# KiCad board panelizado.kicad_pcb (continued)
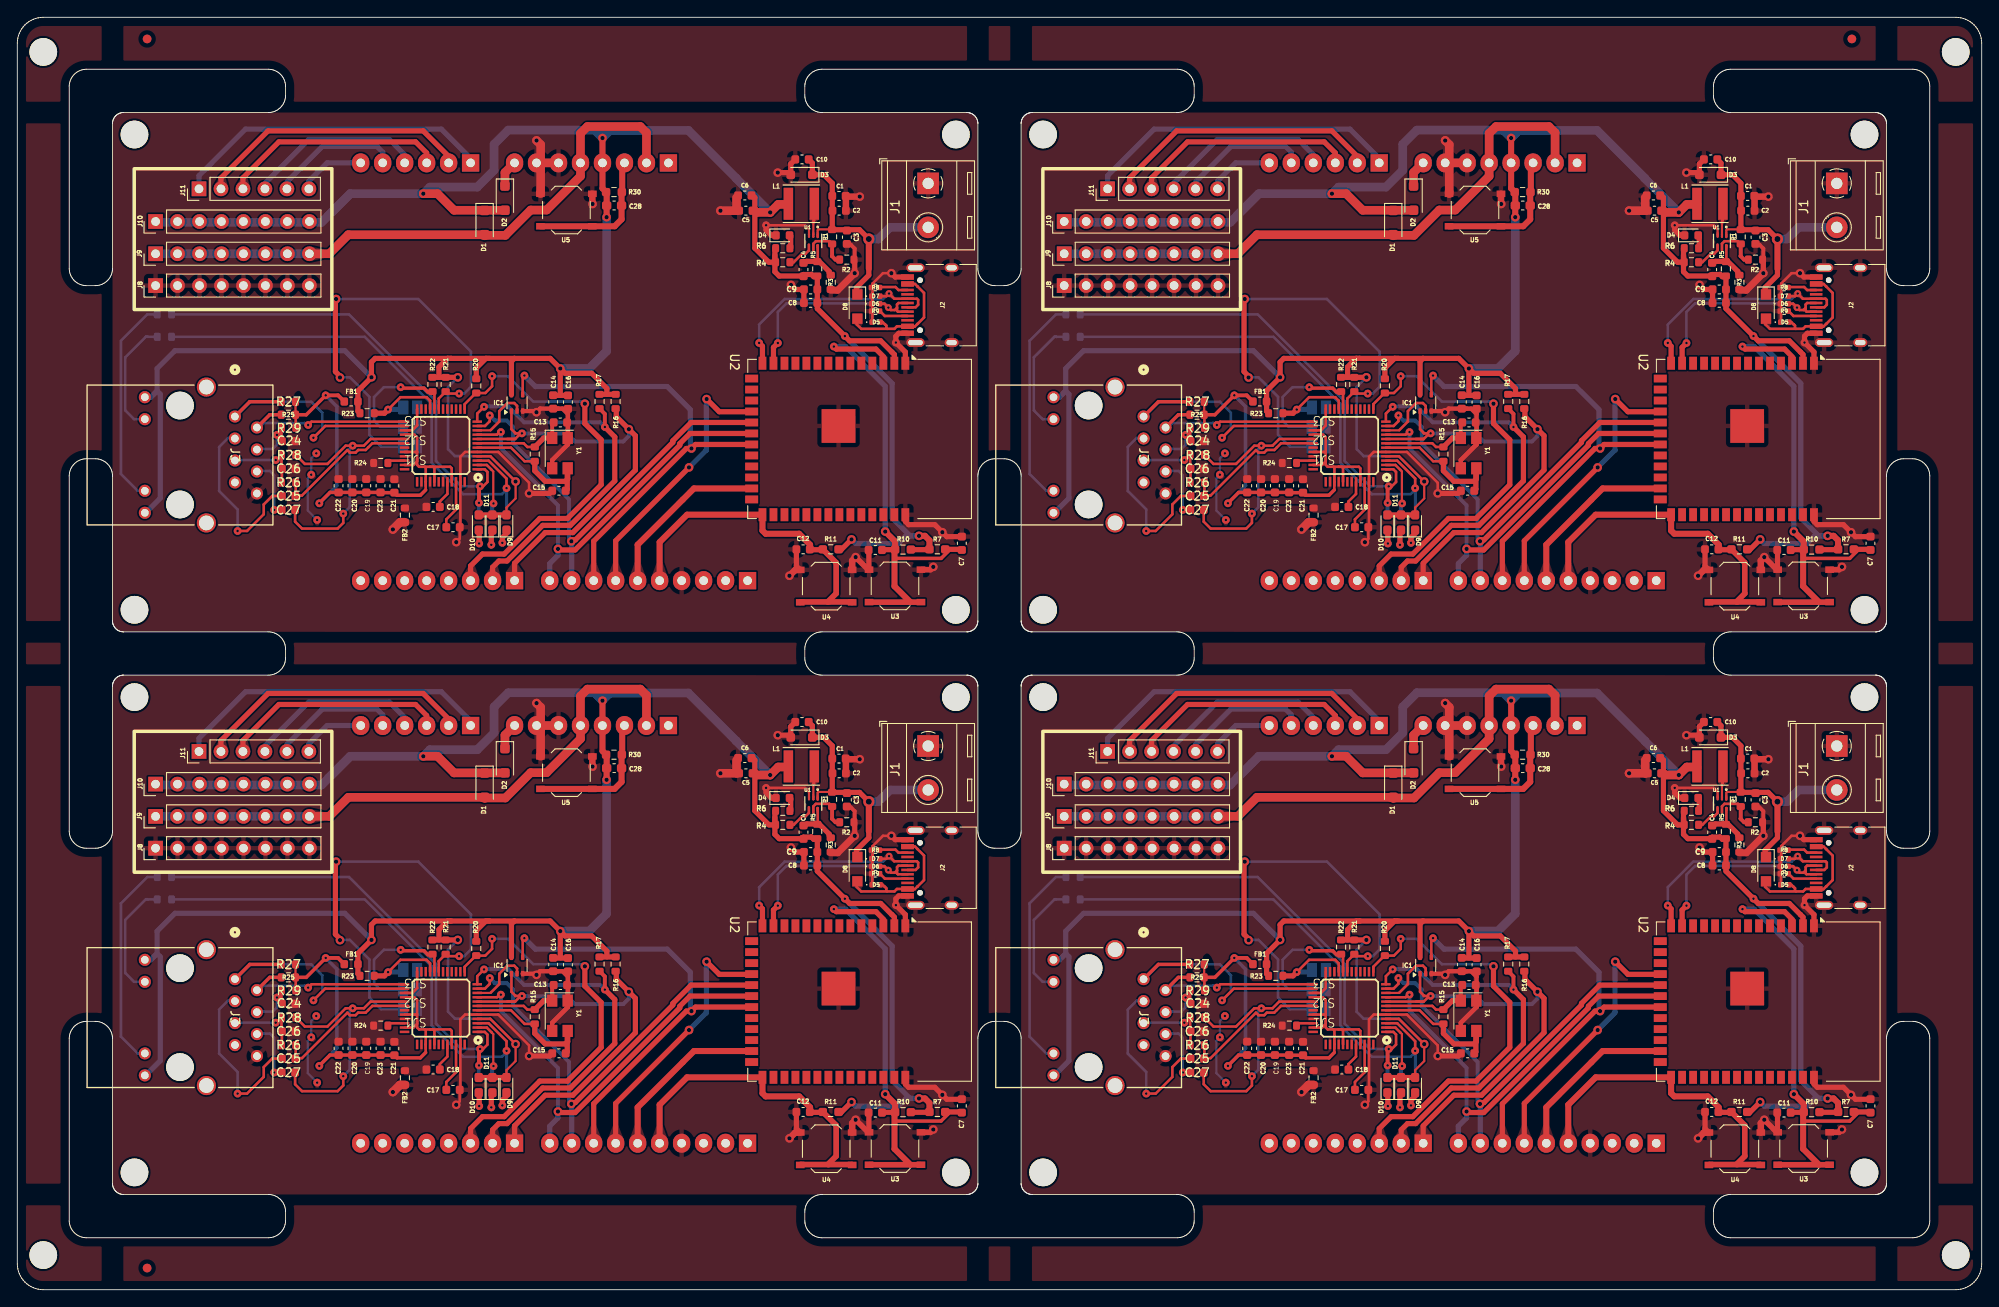
[diagram p0: board, top side]
## Routing (per net, layer and track width the routed paths; a pad name or vN(x,y) marks a point on that pad's centre or on a via; arc(x,y) is an arc through that point) (continued)
  Bottom w0.45: v2(172.89,34.67) 172.35,35.21 163.57,35.21 161.72,37.06 158.99,37.06 v2(158.93,37)
Board_3-/Ethernet/LINKLED: length 54.8
  Top w0.25: 158.35,27.68 v2(158.47,27.81)
  Top w0.3: v2(158.47,27.81) 158.82,27.81 159.32,28.31 159.32,29.47 159.01,29.78 U$1#4.25
  Top w0.45: v2(158.35,25.91) 158.35,27.68
  Bottom w0.25: 158.32,25.88 v2(158.35,25.91)
  Bottom w0.3: v2(158.47,27.81) 156.31,27.81 153.39,30.74 153.39,37.62 143.33,47.67 R19.2
  Bottom w0.45: R13.2 158.32,25.88
Board_3-/Ethernet/MISO: length 7.3
  Top w0.25: 159.72,34.33 159.67,34.28 U$1#4.34
  Top w0.3: IC1#3.2 162.75,37.11 162.42,37.43 161.62,37.43 160.69,36.5 160.69,35.3 159.72,34.33
Board_3-/Ethernet/MOSI: length 52.9
  Top w0.3: v2(159.59,36) 159.59,35.34 159.04,34.78 U$1#4.35
  Top w0.6: U2#2.19 182.86,35.19 180.75,33.08 180.75,32.89 169.48,21.61 169.17,21.61 v1(169.02,21.47)
  Bottom w0.25: 169.07,21.42 v1(169.02,21.47)
  Bottom w0.45: v1(169.02,21.47) 168.75,21.47 168.75,26.31 162.29,32.77 162.29,34.68 161.57,35.41 160.19,35.41 v2(159.59,36)
  Bottom w0.6: J6#4.9 169.07,21.42
Board_3-/Ethernet/RESET: length 49
  Top w0.3: U$1#4.37 156.7,37.31 157.99,38.59 159.08,38.59 159.86,39.38 v2(159.86,40.54)
  Top w0.6: 157.76,16.92 J7.3 157.38,18.62 158.75,19.99 161.26,19.99 165.38,24.1 168.57,24.1 172.47,28 172.47,33.19 170.58,35.07 v1(170.58,37.36)
  Bottom w0.3: v1(170.58,37.36) 170.34,37.61 164.62,37.61 161.69,40.54 v2(159.86,40.54)
Board_3-/Ethernet/RX+: length 16.8
  Top w0.3: U$1#4.6 146.03,32.78 145.26,32.01 144.39,32.01 144.09,31.71 143.43,31.71 143.14,32 137.89,26.75 137.18,26.75 R26#4.2
Board_3-/Ethernet/RX-: length 31.1
  Top w0.3: R28.2 138.22,30.4 140.84,30.4 142.94,32.51 v2(143.76,32.51) 145.05,32.51 145.82,33.28 U$1#4.5 ; C27.2 137.1,23.73 137.9,22.94 142.01,22.94 142.67,23.59 v2(142.67,24.66)
  Bottom w0.3: v2(142.67,24.66) 143.4,25.4 143.4,32.16 v2(143.76,32.51)
Board_3-/Ethernet/SCK: length 51.3
  Top w0.3: v2(160.88,34.08) 160.72,34.08 160.42,33.78 U$1#4.33
  Top w0.6: 166.47,16.97 J6#4.10 ; U2#2.20 182.73,33.92 181.55,32.75 181.55,32.56 169.46,20.46 167.59,20.46 v1(167.47,20.58)
  Bottom w0.45: v1(167.47,20.58) 167.47,25.61 160.88,32.21 v2(160.88,34.08)
  Bottom w0.6: J6#4.10 166.53,18.89 167.47,19.84 v1(167.47,20.58)
Board_3-/Ethernet/TX+: length 32.2
  Top w0.3: 135.5,37.6 135.5,37.42 135.34,37.58 ; v2(139.22,33.43) 140.58,34.78 U$1#4.2
  Top w0.4: J3#4.1 131.85,37.58 R27#2.1
  Bottom w0.3: v2(139.22,33.43) 140.24,34.45 140.24,36.32 138.97,37.58 131.97,37.58 130.27,35.88 J3#4.1
Board_3-/Ethernet/TX-: length 21.6
  Top w0.3: J3#4.2 132.97,34.89 ; v2(138.61,34.9) 139,35.28 U$1#4.1 ; 135.52,36.08 135.53,36.08
  Top w0.4: R25#3.1 134.16,36.08 J3#4.2
  Bottom w0.254: 132.74,34.61 132.71,34.58
  Bottom w0.3: 138.67,34.66 138.2,35.13 133.47,35.13 133,34.66 ; 132.73,34.67 132.95,34.9
Board_3-/Ethernet/YELLOWLED: length 13.5
  Bottom w0.3: R18.1 120.07,45.08 120.04,45.11 119.87,45.11 117.47,42.71 117.47,36.59 118.49,35.57 J3#4.10
Board_3-/MCU-WiFi/CHIP_PU: length 57.8
  Top w0.25: R10.1 206.37,20.44 206.37,19.53 206.42,19.48
  Top w0.4: 206.42,19.48 211.75,19.48 212.77,20.51 212.77,20.53
  Top w0.6: R10.1 206.42,20.49 204.85,20.49 ; C7.1 214.07,20.53 R7.1 212.14,20.53 ; 205.14,42.75 204.22,43.67 199.64,43.67 v2(199.35,43.96)
  Top w0.65: U3#4.2 U3#4.2
  Top w0.7: 206.37,20.49 206.37,16.27 208.2,14.43 ; v1(205.29,22.59) 206.44,21.45 R10.1
  Bottom w0.6: v2(199.35,43.96) 200.7,43.96 205.29,39.37 v1(205.29,22.59)
Board_3-/MCU-WiFi/D+: length 28.1
  Top w0.3: J2.A6 208.81,48.49 209.1,48.79 209.1,49.34 208.95,49.49 J2.B6 206.33,49.49 v3(205.74,50.09) 205.43,49.78 204.52,49.78
  Top w0.6: U2#2.14 191.11,44 v2(190.72,44.38)
  Bottom w0.3: 205.71,50.11 205.05,49.45 193.68,49.45 190.72,46.5 v2(190.72,44.38)
  Bottom w0.6: v3(205.74,50.09) 205.71,50.11
Board_3-/MCU-WiFi/D-: length 25.2
  Top w0.3: 206.66,48.44 206.66,48.09 206.76,47.99 J2.B7 ; 206.66,48.44 206.4,48.18 205.94,48.18 v3(205.66,48.46) 205.22,48.9 D6.2 ; 206.66,48.44 206.66,48.82 206.83,48.99 J2.A7
  Top w0.6: v2(192.89,44.37) 192.38,43.86 U2#2.13
  Bottom w0.3: v3(205.66,48.46) 205.17,48.95 193.88,48.95 192.89,47.95 v2(192.89,44.37)
Board_3-/MCU-WiFi/GPIO0: length 41
  Top w0.25: 198.65,14.46 198.77,14.46
  Top w0.6: 198.08,20.49 196.61,20.49
  Top w0.65: 198.65,14.46 199.62,15.43 199.62,18.99 R11#2.1 ; U4.2 195.52,14.46 201.42,14.46 U4.2
  Top w0.7: 196.61,20.49 196.61,21.07 195.35,22.33 191.47,22.33 191.11,22.7 U2#2.27 182.4,24.53 179.23,21.36 J6#4.5
Board_3-AGND: length 3.6
  Top w0.3: U$1#4.3 150.64,34.28 151.2,34.84 U$1#4.48
Board_3-AVDD: length 55.8
  Top w0.25: 138.38,36.08 138.38,36.08 ; R25#3.2 R27#2.2
  Top w0.3: U$1#4.21 155.2,29.9 155.02,30.07 152.67,30.07 ; U$1#4.4 150.88,33.78 151.2,33.46 151.2,31.77 ; 151.2,31.77 151.2,31 ; 151.2,31.77 151.02,31.77 151.01,31.78 U$1#4.8 ; 152.67,30.07 152.1,30.07 ; 152.67,30.07 153.05,30.07 153.2,29.92 U$1#4.17 ; 152.1,30.07 152.2,29.97 U$1#4.15 152.19,28.33 152.19,27.4 ; 152.1,30.07 151.42,30.07 151.2,30.3 151.2,31 ; 137.18,37.58 137.15,37.6 ; 151.2,31 151.2,30.71 150.77,30.28 U$1#4.11 ; 147,27.08 C23#2.1 ; 137.18,34.53 137.18,36.08
  Top w0.4: v2(140.64,38.33) 138.38,36.08 ; v2(139.9,25.86) 139.9,25.87 141.13,27.11 C22#3.1 C20#3.1 C19.1 C23#2.1 ; 138.38,36.08 R25#3.2 ; 152.19,27.4 151.57,26.78 148.87,26.78 C21#3.1 147,27.08
  Top w0.45: v2(140.64,38.33) 142.07,38.33 FB1#3.2
  Bottom w0.4: v2(139.9,25.86) 141.93,27.89 141.93,37.03 v2(140.64,38.33)
Board_3-GND: length 128.1
  Top w0.25: U3#4.1 203.4,18.2 ; 200.75,61.33 C1#3.2 200.8,61.28 ; 196.29,57.68 196.48,57.48 196.48,56.92 U1#2.3 196.49,56.63 ; 168.6,36.79 C16.2 ; 168.63,35.24 168.59,35.2 168.6,35.19
  Top w0.3: 203.8,47.35 203.8,46.79 203.79,46.78 ; v1(155.72,21.36) 156.12,21.76 C17#2.2 156.2,23.16 U$1#4.23 156.2,31.23 156.75,31.78 U$1#4.29 160.58,31.78 164.14,28.23 v1(164.14,27) 164.34,26.8 ; v1(206,52.44) 205.03,52.44 203.83,51.24 203.83,50.19 203.8,50.16 203.8,49.25 ; 203.81,47.44 203.81,49.17 203.76,49.21 ; 196.29,57.68 196,57.97 v2(191.52,57.97)
  Top w0.45: 200.87,55.73 201.32,55.73 201.77,55.28 201.77,54
  Top w0.5: 165.41,36.79 165.13,36.51 IC1#3.3 ; 165.41,36.79 v1(164.99,36.37) ; 165.41,36.79 167.49,36.79 ; 168.6,33.4 168.63,33.37 168.63,32.66 ; 168.59,35.2 168.63,35.16 168.63,32.66 ; 168.63,36.17 168.63,32.66 166.8,30.83 ; 168.63,36.17 168,36.79 167.49,36.79 ; 168.63,36.17 C16.2 ; 167.49,36.79 C14#2.2 ; 168.63,32.66 166.8,30.83 ; 166.8,29.9 166.8,30.83
  Top w0.6: C7.2 214.13,22 212.41,22 v1(211.9,22.51) 211.02,23.38 208,23.38 207.62,23.76 U2#2.40 ; C8#3.2 C9.2 194.92,50.56 v1(194.4,51.08) ; C12#3.2 195.03,18.61 195.42,18.21 ; J2.A12 206.45,51.99 v1(206,52.44) ; C15#4.2 166.51,27 v1(164.14,27) ; J2.A1 206.86,45.49 206.52,45.16 v2(206.52,44.42) 207.62,43.33 U2#2.1 ; v1(201.77,52.43) 201.77,54 ; C10#4.2 194.37,65.06 D3#2.2 194.12,64.06 v1(192.87,64.06) ; v2(191.52,57.97) 191.52,57.42 192.14,56.81 D4.1 192.64,56.78 192.58,56.78 ; 203.4,18.2 203.4,20.51
  Top w0.65: v1(201.87,19.63) 203.3,18.2 203.4,18.2 ; U3#4.1 210.52,18.18 v1(210.85,18.51)
  Top w0.75: U5#2.2 171.45,60.46 v1(171.47,60.43) ; U4.1 194.9,18.16 v1(194.22,17.48) ; v1(202.35,61.28) 200.8,61.28 ; v1(201.87,19.63) 201.47,19.23 U4.1 ; C2#4.2 200.75,61.33
  Top w0.8: 199,50.47 199.8,50.47 v1(201.77,52.43)
  Top w1: v1(165,67.77) 165.47,67.29 165.47,61.63 ; v1(148.4,22.83) 149.22,23.66 FB2#4.1 ; 188.11,61.16 188.11,59.7 188.15,59.66 v1(186.25,59.66) ; J4#4.6 J4#4.7
  Top w1.2: 209.93,62.91 210.2,62.91
  Bottom w0.25: v2(139.55,31.62) 138.97,31.04 v2(138.97,29.16) 138.56,28.75 138.56,25.02 v2(139.65,23.93)
Board_3-Net-(D4-A): length 1.5
  Top w0.6: 194.33,56.78 194.37,56.75 194.37,55.32
Board_3-Net-(D5-A2): length 15.8
  Top w0.3: J2.A9 208.73,51.19 209.02,50.91 209.02,50.91 209.78,50.15 209.78,47.32 209.03,46.58 209.02,46.58 208.7,46.26 207.9,46.26 J2.A4 206.64,46.29 206.36,46.01 202.52,46.01 202,46.53 202,47.27 201.93,47.19 ; 204.76,46.78 205,46.78 205.25,46.53 205.27,46.53 205.42,46.38 205.42,46.11 205.52,46.01
Board_3-Net-(D9-K): length 1.7
  Top w0.25: 161.53,22.36 D9#4.1
  Top w0.6: 161.53,22.36 161.05,21.88 v2(161.05,21.28)
  Bottom w0.25: 161.05,21.36 v2(161.05,21.28)
Board_3-Net-(D10-K): length 1.8
  Top w0.25: 158.37,22.71 D10#3.1
  Top w0.6: 158.3,21.29 v2(158.37,21.21) 158.37,22.71
  Bottom w0.6: v2(158.37,21.21) 158.3,21.29
Board_3-Net-(D11-K): length 1.8
  Top w0.25: 159.77,22.63 D11.1
  Top w0.6: v2(159.77,21.06) 159.77,22.63
Board_3-Net-(J2-CC1): length 3.4
  Top w0.3: R9#4.1 205.25,47.49 J2.A5
Board_3-Net-(J2-CC2): length 3.3
  Top w0.3: 204.73,50.81 204.76,50.84 206.48,50.84 206.83,50.49 J2.B5
Board_3-Net-(J3-RCT): length 8.8
  Top w0.3: v2(134.86,30.85) 134.92,30.85 R28.1 135.53,29.9 C26#3.1 135.58,28.3 R26#4.1
  Bottom w0.3: v2(134.86,30.85) 130.19,30.85
Board_3-Net-(J3-RD+): length 20.3
  Top w0.3: C25#3.1 134.46,26.7 133.47,25.72 133.47,24.58 131.55,22.66 v2(130.46,22.66)
  Bottom w0.3: v2(130.46,22.66) 130.46,25.15 128.32,27.28 128.32,32.36 129.36,33.39 130.19,33.39
Board_3-Net-(J3-RD-): length 7
  Top w0.3: C27.1 135.54,25.09 v2(134.69,25.09)
  Bottom w0.3: v2(134.69,25.09) 134.67,25.11 134.67,29.11 134.19,29.59 132.73,29.59
Board_3-Net-(J3-TCT): length 6.2
  Top w0.3: 135.53,34.53 135.53,33.03 135.58,32.98 135,33.55 v2(135,33.76)
  Bottom w0.3: 132.73,32.13 134.52,32.13 135,32.61 v2(135,33.76)
Board_3-Net-(J11-Pin_1): length 37.1
  Bottom w0.45: J11#2.1 125.99,62.83
  Bottom w0.6: 125.99,62.83 125.99,63.7 131.37,69.08 154,69.08 157.38,65.7 J5#4.1
Board_3-Net-(J11-Pin_2): length 31.8
  Top w0.6: J5#4.2 154.84,65.94 151.9,68.88 133.97,68.88 128.53,63.44 J11#2.2
Board_3-Net-(J11-Pin_3): length 25.9
  Top w0.6: J11#2.3 131.07,63.46 135.22,67.61 151.02,67.61 152.3,66.33 J5#4.3
Board_3-Net-(J11-Pin_4): length 20.6
  Bottom w0.45: J11#2.4 133.61,62.82
  Bottom w0.6: 133.61,62.82 138.67,67.88 148,67.88 149.76,66.12 J5#4.4
Board_3-Net-(J11-Pin_5): length 15.1
  Bottom w0.45: J11#2.5 136.15,62.99
  Bottom w0.6: J5#4.5 147.22,66.41 146.55,67.08 140.25,67.08 136.15,62.99
Board_3-Net-(J11-Pin_6): length 7.8
  Bottom w0.6: J11#2.6 138.69,63.08 140.8,65.18 J5#4.6
Board_3-Net-(SJ1-A): length 50.7
  Top w0.3: v1(142.29,40.39) 142.36,40.46 ; U$1#4.43 153.7,37.96 R21#4.2 154.73,38.53 v2(156.05,38.53)
  Top w0.6: 142.36,40.46 141.76,41.06 141.76,49.38 v1(141.84,49.45)
  Bottom w0.3: v1(141.84,49.45) 151.34,49.45 157.42,43.36 157.42,39.31 156.64,38.53 v2(156.05,38.53) ; 149.58,32.61 149.8,32.82 ; SJ1.1 147.04,32.4 145.69,33.76 145.69,38.15 143.43,40.41 142.36,40.41
Board_3-Net-(SJ2-A): length 15.9
  Top w0.3: U$1#4.44 153.2,38.53 153.02,38.71
  Top w0.4: 153.02,38.71 152.45,38.71 152,39.16 149.4,39.16 v2(149.3,39.26)
  Bottom w0.3: v2(149.3,39.26) 147.36,39.26 146.22,38.12 146.22,35.38 146.92,34.68 SJ2#2.1
Board_3-Net-(SJ3-A): length 10.1
  Top w0.3: U$1#4.45 152.7,37.71 152.3,38.11 149.27,38.11 v2(147.85,36.68)
  Top w0.6: R23#4.2 147.42,36.26 v2(147.85,36.68)
  Bottom w0.6: v2(147.85,36.68) 147.87,36.71 149.62,36.71
Board_3-Net-(U1-EN): length 5.9
  Top w0.25: 199.28,55.66 199.35,55.72
  Top w0.3: 199.36,55.69 199.32,55.73 199.15,55.73 R1.1 198.84,56.13 197.28,56.13 196.99,55.84 196.99,55.08
  Top w0.45: 199.15,55.73 199.15,54.43 199.13,54.41 199.54,54 199.94,54
Board_3-Net-(U1-FB): length 5.4
  Top w0.3: U1#2.6 197.49,55.63 197.49,55.63 197.49,53.91 197.44,53.85
  Top w0.6: 198.82,52.47 198.82,52.64 197.6,53.85 197.44,53.85 197.39,53.81 196.24,53.81 196.18,53.75
Board_3-Net-(U1-PG): length 3.3
  Top w0.3: 194.37,53.7 194.71,53.7 195.71,54.7 196.1,54.7 196.47,55.07 196.47,55.74
Board_3-Net-(U1-SW): length 5.9
  Top w0.25: 196.99,58.41 U1#2.2 196.99,56.65 196.98,56.64 ; 196.99,58.41 196.99,60.27 197.1,60.38 ; 196.99,58.41 197.1,58.52 L1.1
Board_3-Net-(U$1-1V20): length 5.7
  Top w0.3: U$1#4.22 155.7,25.12 154.57,24 154.57,23.23 154.69,23.11
Board_3-Net-(U$1-EXRES1): length 2
  Top w0.3: R24#3.1 148.1,30.78 U$1#4.10
Board_3-Net-(U$1-TOCAP): length 3.3
  Top w0.3: U$1#4.20 154.7,26.93 153.82,26.06 C18#4.1
Board_3-Net-(U$1-XI/CLKIN): length 16.9
  Top w0.3: R15#2.2 163.62,30.71 162.04,32.28 U$1#4.30 ; 168.37,29.66 168.6,29.9
  Top w0.6: 168.37,29.66 168.55,29.48 168.55,27.49 C15#4.1 ; 168.6,29.9 168.6,28.66 168.33,28.39 166.01,28.39 164.79,29.61 R15#2.2
Board_3-Net-(U$1-XO): length 11.3
  Top w0.3: U$1#4.31 163.51,32.78 163.94,32.36 R15#2.1
  Top w0.45: 167.04,35.2 166.8,34.97 Y1#4.1
  Top w0.6: R15#2.1 165.83,33.4 Y1#4.1 ; 166.68,33.46 166.76,33.37
Board_3-unconnected-(J3-NC-Pad7): length 0.4
  Bottom w0.3: 129.92,27.98 130.17,28.23
Board_3-VBAT: length 32.5
  Top w0.25: 197.49,56.61 197.49,57.41 197.58,57.5 199.34,57.5 199.36,57.52 ; U1#2.1 197.49,56.73
  Top w0.6: 203.4,52.97 203.4,52.21 201.98,50.79 201.98,50.09 202,50.07 ; 199.17,61.56 199.17,57.7 199.42,57.46 202.33,57.46 v4(203.4,56.38) 203.39,56.37 203.39,55.91 ; C10#4.1 196.87,65.16 D3#2.1 198.2,63.81 199.17,62.83 C1#3.1
  Top w0.7: 203.4,52.97 v4(203.4,56.38)
  Bottom w1: v4(203.4,56.38) 204.5,56.38 205.85,57.73 J1#2.2
Board_3-VIN: length 3.1
  Top w1: J4#4.8 161.35,64.07 D2#3.1

## Copper pours and planes (outline as drawn; the poured copper is in the pictures)
(no net) on Top: 111.61,96.66 111.69,96.7 111.74,96.72 111.83,96.76 111.87,96.78 111.97,96.82 112.01,96.83 112.1,96.86 112.15,96.88 112.25,96.9 112.29,96.92 112.39,96.94 112.44,96.95 112.53,96.96 112.58,96.97 112.68,96.98 112.73,96.99 112.83,96.99 112.88,97 113,97 114,97 114.12,97 114.17,96.99 114.27,96.99 114.32,96.98 114.42,96.97 114.47,96.96 114.56,96.95 114.61,96.94 114.71,96.92 114.75,96.9 114.85,96.88 114.89,96.86 114.99,96.83 115.03,96.82 115.13,96.78 115.17,96.76 115.26,96.72 115.31,96.7 115.39,96.66 115.5,96.6 115.5,115.4 115.39,115.34 115.31,115.3 115.26,115.28 115.17,115.24 115.13,115.22 115.03,115.18 114.99,115.17 114.89,115.14 114.85,115.12 114.75,115.1 114.71,115.08 114.61,115.06 114.56,115.05 114.47,115.04 114.42,115.03 114.32,115.02 114.27,115.01 114.17,115 114.12,115 114,115 113,115 112.88,115 112.83,115 112.73,115.01 112.68,115.02 112.58,115.03 112.53,115.04 112.44,115.05 112.39,115.06 112.29,115.08 112.25,115.1 112.15,115.12 112.1,115.14 112.01,115.17 111.97,115.18 111.87,115.22 111.83,115.24 111.74,115.28 111.69,115.3 111.61,115.34 111.5,115.4 111.5,96.6
(no net) on Top: 111.61,31.66 111.69,31.7 111.74,31.72 111.83,31.76 111.87,31.78 111.97,31.82 112.01,31.83 112.1,31.86 112.15,31.88 112.25,31.9 112.29,31.92 112.39,31.94 112.44,31.95 112.53,31.96 112.58,31.97 112.68,31.98 112.73,31.99 112.83,31.99 112.88,32 113,32 114,32 114.12,32 114.17,31.99 114.27,31.99 114.32,31.98 114.42,31.97 114.47,31.96 114.56,31.95 114.61,31.94 114.71,31.92 114.75,31.9 114.85,31.88 114.89,31.86 114.99,31.83 115.03,31.82 115.13,31.78 115.17,31.76 115.26,31.72 115.31,31.7 115.39,31.66 115.5,31.6 115.5,50.4 115.39,50.34 115.31,50.3 115.26,50.28 115.17,50.24 115.13,50.22 115.03,50.18 114.99,50.17 114.89,50.14 114.85,50.12 114.75,50.1 114.71,50.08 114.61,50.06 114.56,50.05 114.47,50.04 114.42,50.03 114.32,50.02 114.27,50.01 114.17,50.01 114.12,50 114,50 113,50 112.88,50 112.83,50.01 112.73,50.01 112.68,50.02 112.58,50.03 112.53,50.04 112.44,50.05 112.39,50.06 112.29,50.08 112.25,50.1 112.15,50.12 112.1,50.14 112.01,50.17 111.97,50.18 111.87,50.22 111.83,50.24 111.74,50.28 111.69,50.3 111.61,50.34 111.5,50.4 111.5,31.6
(no net) on Top: 195.34,71.61 195.3,71.69 195.28,71.74 195.24,71.83 195.22,71.87 195.18,71.97 195.17,72.01 195.14,72.1 195.12,72.15 195.1,72.25 195.08,72.29 195.06,72.39 195.05,72.44 195.04,72.53 195.03,72.58 195.02,72.68 195.01,72.73 195,72.83 195,72.88 195,73 195,74 195,74.12 195,74.17 195.01,74.27 195.02,74.32 195.03,74.42 195.04,74.47 195.05,74.56 195.06,74.61 195.08,74.71 195.1,74.75 195.12,74.85 195.14,74.89 195.17,74.99 195.18,75.03 195.22,75.13 195.24,75.17 195.28,75.26 195.3,75.31 195.34,75.39 195.4,75.5 136.6,75.5 136.66,75.39 136.7,75.31 136.72,75.26 136.76,75.17 136.78,75.13 136.82,75.03 136.83,74.99 136.86,74.89 136.88,74.85 136.9,74.75 136.92,74.71 136.94,74.61 136.95,74.56 136.96,74.47 136.97,74.42 136.98,74.32 136.99,74.27 136.99,74.17 137,74.12 137,74 137,73 137,72.88 136.99,72.83 136.99,72.73 136.98,72.68 136.97,72.58 136.96,72.53 136.95,72.44 136.94,72.39 136.92,72.29 136.9,72.25 136.88,72.15 136.86,72.1 136.83,72.01 136.82,71.97 136.78,71.87 136.76,71.83 136.72,71.74 136.7,71.69 136.66,71.61 136.6,71.5 195.4,71.5
(no net) on Top: 1.04,2.61 1.09,2.42 1.15,2.24 1.24,2.06 1.34,1.89 1.45,1.73 1.59,1.59 1.73,1.45 1.89,1.34 2.06,1.24 2.24,1.15 2.42,1.09 2.61,1.04 2.8,1.01 3.01,1 3.04,1 223.96,1 223.99,1 224.2,1.01 224.39,1.04 224.58,1.09 224.76,1.15 224.94,1.24 225.11,1.34 225.27,1.45 225.41,1.59 225.54,1.73 225.66,1.89 225.76,2.06 225.85,2.24 225.91,2.42 225.96,2.61 225.99,2.8 226,3.01 226,3.04 226,143.96 226,143.99 225.99,144.2 225.96,144.39 225.91,144.58 225.85,144.76 225.76,144.94 225.66,145.11 225.54,145.27 225.41,145.41 225.27,145.54 225.11,145.66 224.94,145.76 224.76,145.85 224.58,145.91 224.39,145.96 224.2,145.99 223.99,146 223.96,146 3.04,146 3.01,146 2.8,145.99 2.61,145.96 2.42,145.91 2.24,145.85 2.06,145.76 1.89,145.66 1.73,145.54 1.59,145.41 1.45,145.27 1.34,145.11 1.24,144.94 1.15,144.76 1.09,144.58 1.04,144.39 1.01,144.2 1,143.99 1,143.96 1,3.04 1,3.01 1.01,2.8 ; 1 cut-out
(no net) on Top: 90.34,71.61 90.3,71.69 90.28,71.74 90.24,71.83 90.22,71.87 90.18,71.97 90.17,72.01 90.14,72.1 90.12,72.15 90.1,72.25 90.08,72.29 90.06,72.39 90.05,72.44 90.04,72.53 90.03,72.58 90.02,72.68 90.01,72.73 90.01,72.83 90,72.88 90,73 90,74 90,74.12 90.01,74.17 90.01,74.27 90.02,74.32 90.03,74.42 90.04,74.47 90.05,74.56 90.06,74.61 90.08,74.71 90.1,74.75 90.12,74.85 90.14,74.89 90.17,74.99 90.18,75.03 90.22,75.13 90.24,75.17 90.28,75.26 90.3,75.31 90.34,75.39 90.4,75.5 31.6,75.5 31.66,75.39 31.7,75.31 31.72,75.26 31.76,75.17 31.78,75.13 31.82,75.03 31.83,74.99 31.86,74.89 31.88,74.85 31.9,74.75 31.92,74.71 31.94,74.61 31.95,74.56 31.96,74.47 31.97,74.42 31.98,74.32 31.99,74.27 31.99,74.17 32,74.12 32,74 32,73 32,72.88 31.99,72.83 31.99,72.73 31.98,72.68 31.97,72.58 31.96,72.53 31.95,72.44 31.94,72.39 31.92,72.29 31.9,72.25 31.88,72.15 31.86,72.1 31.83,72.01 31.82,71.97 31.78,71.87 31.76,71.83 31.72,71.74 31.7,71.69 31.66,71.61 31.6,71.5 90.4,71.5
(no net) on Bottom: 111.61,31.66 111.69,31.7 111.74,31.72 111.83,31.76 111.87,31.78 111.97,31.82 112.01,31.83 112.1,31.86 112.15,31.88 112.25,31.9 112.29,31.92 112.39,31.94 112.44,31.95 112.53,31.96 112.58,31.97 112.68,31.98 112.73,31.99 112.83,31.99 112.88,32 113,32 114,32 114.12,32 114.17,31.99 114.27,31.99 114.32,31.98 114.42,31.97 114.47,31.96 114.56,31.95 114.61,31.94 114.71,31.92 114.75,31.9 114.85,31.88 114.89,31.86 114.99,31.83 115.03,31.82 115.13,31.78 115.17,31.76 115.26,31.72 115.31,31.7 115.39,31.66 115.5,31.6 115.5,50.4 115.39,50.34 115.31,50.3 115.26,50.28 115.17,50.24 115.13,50.22 115.03,50.18 114.99,50.17 114.89,50.14 114.85,50.12 114.75,50.1 114.71,50.08 114.61,50.06 114.56,50.05 114.47,50.04 114.42,50.03 114.32,50.02 114.27,50.01 114.17,50.01 114.12,50 114,50 113,50 112.88,50 112.83,50.01 112.73,50.01 112.68,50.02 112.58,50.03 112.53,50.04 112.44,50.05 112.39,50.06 112.29,50.08 112.25,50.1 112.15,50.12 112.1,50.14 112.01,50.17 111.97,50.18 111.87,50.22 111.83,50.24 111.74,50.28 111.69,50.3 111.61,50.34 111.5,50.4 111.5,31.6
(no net) on Bottom: 111.61,96.66 111.69,96.7 111.74,96.72 111.83,96.76 111.87,96.78 111.97,96.82 112.01,96.83 112.1,96.86 112.15,96.88 112.25,96.9 112.29,96.92 112.39,96.94 112.44,96.95 112.53,96.96 112.58,96.97 112.68,96.98 112.73,96.99 112.83,96.99 112.88,97 113,97 114,97 114.12,97 114.17,96.99 114.27,96.99 114.32,96.98 114.42,96.97 114.47,96.96 114.56,96.95 114.61,96.94 114.71,96.92 114.75,96.9 114.85,96.88 114.89,96.86 114.99,96.83 115.03,96.82 115.13,96.78 115.17,96.76 115.26,96.72 115.31,96.7 115.39,96.66 115.5,96.6 115.5,115.4 115.39,115.34 115.31,115.3 115.26,115.28 115.17,115.24 115.13,115.22 115.03,115.18 114.99,115.17 114.89,115.14 114.85,115.12 114.75,115.1 114.71,115.08 114.61,115.06 114.56,115.05 114.47,115.04 114.42,115.03 114.32,115.02 114.27,115.01 114.17,115 114.12,115 114,115 113,115 112.88,115 112.83,115 112.73,115.01 112.68,115.02 112.58,115.03 112.53,115.04 112.44,115.05 112.39,115.06 112.29,115.08 112.25,115.1 112.15,115.12 112.1,115.14 112.01,115.17 111.97,115.18 111.87,115.22 111.83,115.24 111.74,115.28 111.69,115.3 111.61,115.34 111.5,115.4 111.5,96.6
(no net) on Bottom: 1.04,2.61 1.09,2.42 1.15,2.24 1.24,2.06 1.34,1.89 1.45,1.73 1.59,1.59 1.73,1.45 1.89,1.34 2.06,1.24 2.24,1.15 2.42,1.09 2.61,1.04 2.8,1.01 3.01,1 3.04,1 223.96,1 223.99,1 224.2,1.01 224.39,1.04 224.58,1.09 224.76,1.15 224.94,1.24 225.11,1.34 225.27,1.45 225.41,1.59 225.54,1.73 225.66,1.89 225.76,2.06 225.85,2.24 225.91,2.42 225.96,2.61 225.99,2.8 226,3.01 226,3.04 226,143.96 226,143.99 225.99,144.2 225.96,144.39 225.91,144.58 225.85,144.76 225.76,144.94 225.66,145.11 225.54,145.27 225.41,145.41 225.27,145.54 225.11,145.66 224.94,145.76 224.76,145.85 224.58,145.91 224.39,145.96 224.2,145.99 223.99,146 223.96,146 3.04,146 3.01,146 2.8,145.99 2.61,145.96 2.42,145.91 2.24,145.85 2.06,145.76 1.89,145.66 1.73,145.54 1.59,145.41 1.45,145.27 1.34,145.11 1.24,144.94 1.15,144.76 1.09,144.58 1.04,144.39 1.01,144.2 1,143.99 1,143.96 1,3.04 1,3.01 1.01,2.8 ; 1 cut-out
(no net) on Bottom: 90.34,71.61 90.3,71.69 90.28,71.74 90.24,71.83 90.22,71.87 90.18,71.97 90.17,72.01 90.14,72.1 90.12,72.15 90.1,72.25 90.08,72.29 90.06,72.39 90.05,72.44 90.04,72.53 90.03,72.58 90.02,72.68 90.01,72.73 90.01,72.83 90,72.88 90,73 90,74 90,74.12 90.01,74.17 90.01,74.27 90.02,74.32 90.03,74.42 90.04,74.47 90.05,74.56 90.06,74.61 90.08,74.71 90.1,74.75 90.12,74.85 90.14,74.89 90.17,74.99 90.18,75.03 90.22,75.13 90.24,75.17 90.28,75.26 90.3,75.31 90.34,75.39 90.4,75.5 31.6,75.5 31.66,75.39 31.7,75.31 31.72,75.26 31.76,75.17 31.78,75.13 31.82,75.03 31.83,74.99 31.86,74.89 31.88,74.85 31.9,74.75 31.92,74.71 31.94,74.61 31.95,74.56 31.96,74.47 31.97,74.42 31.98,74.32 31.99,74.27 31.99,74.17 32,74.12 32,74 32,73 32,72.88 31.99,72.83 31.99,72.73 31.98,72.68 31.97,72.58 31.96,72.53 31.95,72.44 31.94,72.39 31.92,72.29 31.9,72.25 31.88,72.15 31.86,72.1 31.83,72.01 31.82,71.97 31.78,71.87 31.76,71.83 31.72,71.74 31.7,71.69 31.66,71.61 31.6,71.5 90.4,71.5
(no net) on Bottom: 195.34,71.61 195.3,71.69 195.28,71.74 195.24,71.83 195.22,71.87 195.18,71.97 195.17,72.01 195.14,72.1 195.12,72.15 195.1,72.25 195.08,72.29 195.06,72.39 195.05,72.44 195.04,72.53 195.03,72.58 195.02,72.68 195.01,72.73 195,72.83 195,72.88 195,73 195,74 195,74.12 195,74.17 195.01,74.27 195.02,74.32 195.03,74.42 195.04,74.47 195.05,74.56 195.06,74.61 195.08,74.71 195.1,74.75 195.12,74.85 195.14,74.89 195.17,74.99 195.18,75.03 195.22,75.13 195.24,75.17 195.28,75.26 195.3,75.31 195.34,75.39 195.4,75.5 136.6,75.5 136.66,75.39 136.7,75.31 136.72,75.26 136.76,75.17 136.78,75.13 136.82,75.03 136.83,74.99 136.86,74.89 136.88,74.85 136.9,74.75 136.92,74.71 136.94,74.61 136.95,74.56 136.96,74.47 136.97,74.42 136.98,74.32 136.99,74.27 136.99,74.17 137,74.12 137,74 137,73 137,72.88 136.99,72.83 136.99,72.73 136.98,72.68 136.97,72.58 136.96,72.53 136.95,72.44 136.94,72.39 136.92,72.29 136.9,72.25 136.88,72.15 136.86,72.1 136.83,72.01 136.82,71.97 136.78,71.87 136.76,71.83 136.72,71.74 136.7,71.69 136.66,71.61 136.6,71.5 195.4,71.5
Board_0-AGND on Top: 49.85,94.08 49.95,93.93 49.97,91.49 48.75,91.51 47.73,91.47 47.73,89.99 47.22,89.94 46.36,89.94 46.21,89.76 44.68,89.76 44.61,90.15 44.61,90.78 43.85,90.78 42.55,90.78 39.35,90.73 39.29,90.35 37.72,88.27 36.83,88.01 35.05,88.04 33.88,87.94 33.38,87.96 31.13,89.63 31.3,100.81 32.21,102.44 32.21,103.43 32.5,103.68 32.8,103.33 33.05,102.78 33.15,102.03 33.4,101.68 33.5,101.63 33.7,101.58 33.95,101.53 34.25,101.53 34.95,101.48 35.8,101.48 36.45,101.23 36.85,101.08 37.72,100.66 38.5,100.43 39.5,100.48 41.05,100.48 41.9,100.53 42.5,100.58 43.05,100.73 43.83,100.99 44.18,100.69 44.51,100.61 45.07,100.58 45.32,100.48 45.37,100.2 45.34,99.64 45.75,98.96 45.77,97.79 45.47,94.62 45.68,94.36 45.85,94.11 47.17,94.08 47.05,92.56 46.51,92.02 45.95,92 45.22,91.97 43.9,92.02 43.95,93.4 36.46,93.42 36.38,92.1 42.96,92.1 43.87,91.64 45.88,91.64 46.74,91.75 47.3,92.69 47.38,94.08
Board_0-GND on Top: 92.94,101.74 92.94,97.88 96.9,97.88 96.84,101.72
Board_0-GND on Top, Bottom: 12.22,136.03 11.8,135.96 11.58,135.78 11.4,135.63 11.17,135.43 11,134.91 11,77.26 11.05,76.91 11.15,76.63 11.38,76.36 11.63,76.16 11.92,76.01 12.45,76.01 109.82,75.98 110.23,76.11 110.53,76.28 110.68,76.41 110.75,76.51 110.93,76.83 110.98,77.01 111,77.18 111,134.83 110.95,135.11 110.88,135.26 110.77,135.43 110.68,135.58 110.55,135.68 110.35,135.83 110.15,135.91 109.97,135.98 109.83,135.98
Board_0-GND on Bottom: 110.17,135.91 110.77,135.51 111.05,134.61 110.95,133.21 111.01,107.79 103.75,107.82 103.76,88.97 110.98,88.97 111,87.92 111.01,82.15 111.04,77.01 110.72,76.41 109.82,75.98 107.67,75.98 11.92,76.01 11.42,76.26 10.97,76.98 10.97,77.83 11,81.43 11,134.91 11.17,135.43 11.62,135.71 11.8,135.96 12.22,136.03 12.67,135.98 109.97,135.98 110.2,135.91
Board_1-AGND on Top: 154.85,94.08 154.95,93.93 154.97,91.49 153.75,91.51 152.73,91.47 152.73,89.99 152.22,89.94 151.36,89.94 151.21,89.76 149.68,89.76 149.61,90.15 149.61,90.78 148.85,90.78 147.55,90.78 144.35,90.73 144.29,90.35 142.72,88.27 141.83,88.01 140.05,88.04 138.88,87.94 138.37,87.96 136.12,89.63 136.3,100.81 137.21,102.44 137.21,103.43 137.5,103.68 137.8,103.33 138.05,102.78 138.15,102.03 138.4,101.68 138.5,101.63 138.7,101.58 138.95,101.53 139.25,101.53 139.95,101.48 140.8,101.48 141.45,101.23 141.85,101.08 142.72,100.66 143.5,100.43 144.5,100.48 146.05,100.48 146.9,100.53 147.5,100.58 148.05,100.73 148.83,100.99 149.18,100.69 149.51,100.61 150.07,100.58 150.32,100.48 150.37,100.2 150.34,99.64 150.75,98.96 150.77,97.79 150.47,94.62 150.68,94.36 150.85,94.11 152.17,94.08 152.05,92.56 151.51,92.02 150.95,92 150.22,91.97 148.9,92.02 148.95,93.4 141.46,93.42 141.38,92.1 147.96,92.1 148.87,91.64 150.88,91.64 151.74,91.75 152.3,92.69 152.38,94.08
Board_1-GND on Top: 197.94,101.74 197.94,97.88 201.9,97.88 201.84,101.72
Board_1-GND on Top, Bottom: 117.22,136.03 116.8,135.96 116.57,135.78 116.4,135.63 116.17,135.43 116,134.91 116,77.26 116.05,76.91 116.15,76.63 116.37,76.36 116.62,76.16 116.92,76.01 117.45,76.01 214.82,75.98 215.22,76.11 215.52,76.28 215.67,76.41 215.75,76.51 215.92,76.83 215.97,77.01 216,77.18 216,134.83 215.95,135.11 215.87,135.26 215.77,135.43 215.67,135.58 215.55,135.68 215.35,135.83 215.15,135.91 214.97,135.98 214.82,135.98
Board_1-GND on Bottom: 215.17,135.91 215.77,135.51 216.05,134.61 215.95,133.21 216,107.79 208.74,107.82 208.75,88.97 215.97,88.97 216,87.92 216,82.15 216.03,77.01 215.72,76.41 214.82,75.98 212.67,75.98 116.92,76.01 116.42,76.26 115.97,76.98 115.97,77.83 116,81.43 116,134.91 116.17,135.43 116.62,135.71 116.8,135.96 117.22,136.03 117.67,135.98 214.97,135.98 215.2,135.91
Board_2-AGND on Top: 49.85,29.08 49.95,28.93 49.97,26.49 48.75,26.51 47.73,26.47 47.73,24.99 47.22,24.94 46.36,24.94 46.21,24.76 44.68,24.76 44.61,25.15 44.61,25.78 43.85,25.78 42.55,25.78 39.35,25.73 39.29,25.35 37.72,23.27 36.83,23.01 35.05,23.04 33.88,22.94 33.38,22.96 31.13,24.63 31.3,35.81 32.21,37.44 32.21,38.43 32.5,38.68 32.8,38.33 33.05,37.78 33.15,37.03 33.4,36.68 33.5,36.63 33.7,36.58 33.95,36.53 34.25,36.53 34.95,36.48 35.8,36.48 36.45,36.23 36.85,36.08 37.72,35.66 38.5,35.43 39.5,35.48 41.05,35.48 41.9,35.53 42.5,35.58 43.05,35.73 43.83,35.99 44.18,35.69 44.51,35.61 45.07,35.58 45.32,35.48 45.37,35.2 45.34,34.64 45.75,33.96 45.77,32.79 45.47,29.62 45.68,29.36 45.85,29.11 47.17,29.08 47.05,27.56 46.51,27.02 45.95,27 45.22,26.97 43.9,27.02 43.95,28.4 36.46,28.42 36.38,27.1 42.96,27.1 43.87,26.64 45.88,26.64 46.74,26.75 47.3,27.69 47.38,29.08
Board_2-GND on Top: 92.94,36.74 92.94,32.88 96.9,32.88 96.84,36.72
Board_2-GND on Top, Bottom: 12.22,71.03 11.8,70.96 11.58,70.78 11.4,70.63 11.17,70.43 11,69.91 11,12.26 11.05,11.91 11.15,11.63 11.38,11.36 11.63,11.16 11.92,11.01 12.45,11.01 109.82,10.98 110.23,11.11 110.53,11.28 110.68,11.41 110.75,11.51 110.93,11.83 110.98,12.01 111,12.18 111,69.83 110.95,70.11 110.88,70.26 110.77,70.43 110.68,70.58 110.55,70.68 110.35,70.83 110.15,70.91 109.97,70.98 109.83,70.98
Board_2-GND on Bottom: 110.17,70.91 110.77,70.51 111.05,69.61 110.95,68.21 111.01,42.79 103.75,42.82 103.76,23.97 110.98,23.97 111,22.92 111.01,17.15 111.04,12.01 110.72,11.41 109.82,10.98 107.67,10.98 11.92,11.01 11.42,11.26 10.97,11.98 10.97,12.83 11,16.43 11,69.91 11.17,70.43 11.62,70.71 11.8,70.96 12.22,71.03 12.67,70.98 109.97,70.98 110.2,70.91
Board_3-AGND on Top: 154.85,29.08 154.95,28.93 154.97,26.49 153.75,26.51 152.73,26.47 152.73,24.99 152.22,24.94 151.36,24.94 151.21,24.76 149.68,24.76 149.61,25.15 149.61,25.78 148.85,25.78 147.55,25.78 144.35,25.73 144.29,25.35 142.72,23.27 141.83,23.01 140.05,23.04 138.88,22.94 138.37,22.96 136.12,24.63 136.3,35.81 137.21,37.44 137.21,38.43 137.5,38.68 137.8,38.33 138.05,37.78 138.15,37.03 138.4,36.68 138.5,36.63 138.7,36.58 138.95,36.53 139.25,36.53 139.95,36.48 140.8,36.48 141.45,36.23 141.85,36.08 142.72,35.66 143.5,35.43 144.5,35.48 146.05,35.48 146.9,35.53 147.5,35.58 148.05,35.73 148.83,35.99 149.18,35.69 149.51,35.61 150.07,35.58 150.32,35.48 150.37,35.2 150.34,34.64 150.75,33.96 150.77,32.79 150.47,29.62 150.68,29.36 150.85,29.11 152.17,29.08 152.05,27.56 151.51,27.02 150.95,27 150.22,26.97 148.9,27.02 148.95,28.4 141.46,28.42 141.38,27.1 147.96,27.1 148.87,26.64 150.88,26.64 151.74,26.75 152.3,27.69 152.38,29.08
Board_3-GND on Top: 197.94,36.74 197.94,32.88 201.9,32.88 201.84,36.72
Board_3-GND on Top, Bottom: 117.22,71.03 116.8,70.96 116.57,70.78 116.4,70.63 116.17,70.43 116,69.91 116,12.26 116.05,11.91 116.15,11.63 116.37,11.36 116.62,11.16 116.92,11.01 117.45,11.01 214.82,10.98 215.22,11.11 215.52,11.28 215.67,11.41 215.75,11.51 215.92,11.83 215.97,12.01 216,12.18 216,69.83 215.95,70.11 215.87,70.26 215.77,70.43 215.67,70.58 215.55,70.68 215.35,70.83 215.15,70.91 214.97,70.98 214.82,70.98
Board_3-GND on Bottom: 215.17,70.91 215.77,70.51 216.05,69.61 215.95,68.21 216,42.79 208.74,42.82 208.75,23.97 215.97,23.97 216,22.92 216,17.15 216.03,12.01 215.72,11.41 214.82,10.98 212.67,10.98 116.92,11.01 116.42,11.26 115.97,11.98 115.97,12.83 116,16.43 116,69.91 116.17,70.43 116.62,70.71 116.8,70.96 117.22,71.03 117.67,70.98 214.97,70.98 215.2,70.91

Small or netless copper shapes (teardrops, artwork), in the pictures only: 92 on Top, 20 on Bottom

## Text on the board
User.Drawings: USB | NC | A3 | A2 | A1 | A0 | VIN | GND | 5V | 3V3 | RUN
User.6: V-CUT
